# Altium PCB rev3.PcbDoc (part 7 of 7)
Units mil, origin at the board's own origin, x right, y up, seen from the top; angles counter-clockwise.
Board outline 1000 x 800 mil, 2 copper layers (Top Layer, Bottom Layer); 273 components, 16 nets, 2912 pads, 0 vias.
Unrouted connection lines stored in the file: 16.
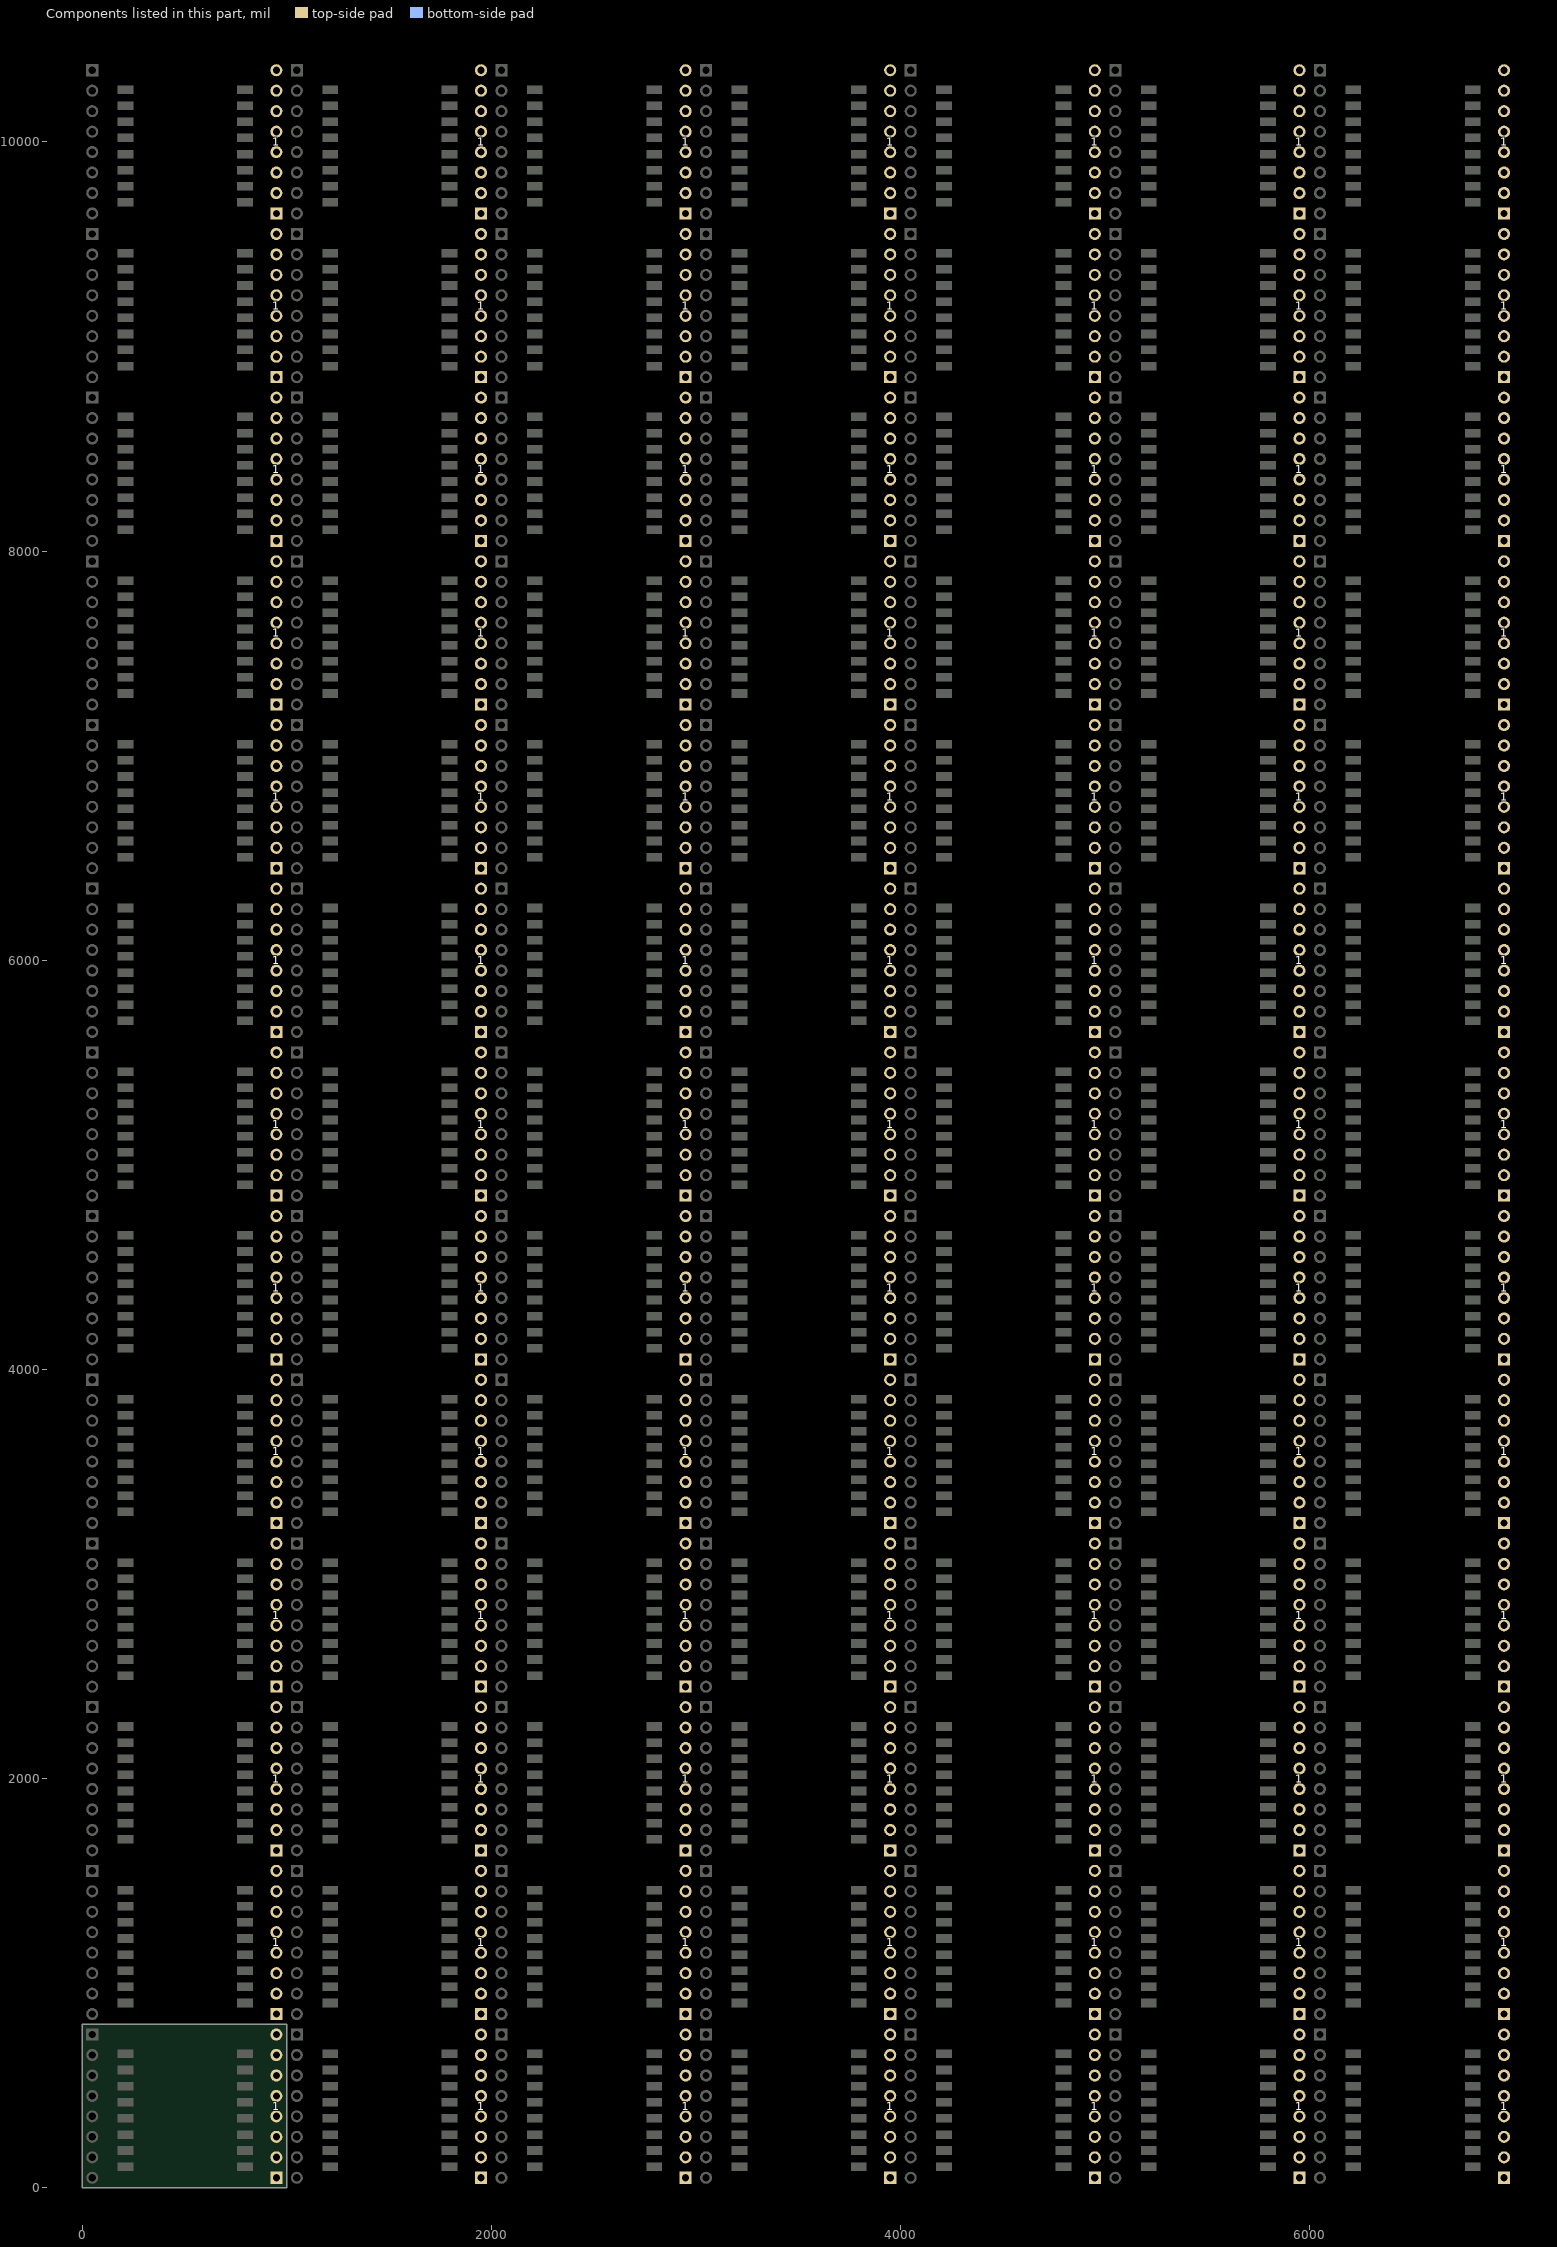
[diagram p7: the components of this part, seen from the top]

## Silkscreen, mask and mechanical layers (free items; w line width, h text height) (continued)
Top Overlay: (continued)
  text "GND" at 1865,880 h20 r90
  text "GND" at 2865,880 h20 r90
  text "GND" at 3865,880 h20 r90
  text "GND" at 4865,880 h20 r90
  text "GND" at 5865,880 h20 r90
  text "GND" at 6865,880 h20 r90
  text "LoRaWan Thailand." at 315,815 h30
  text "LoRaWan Thailand." at 1315,815 h30
  text "LoRaWan Thailand." at 2315,815 h30
  text "LoRaWan Thailand." at 3315,815 h30
  text "LoRaWan Thailand." at 4315,815 h30
  text "LoRaWan Thailand." at 5315,815 h30
  text "LoRaWan Thailand." at 6315,815 h30
  text "ANT" at 150,626 h23 r90
  text "ANT" at 1150,626 h23 r90
  text "ANT" at 2150,626 h23 r90
  text "ANT" at 3150,626 h23 r90
  text "ANT" at 4150,626 h23 r90
  text "ANT" at 5150,626 h23 r90
  text "ANT" at 6150,626 h23 r90
  text "GND" at 880,625 h23 r90
  text "GND" at 1880,625 h23 r90
  text "GND" at 2880,625 h23 r90
  text "GND" at 3880,625 h23 r90
  text "GND" at 4880,625 h23 r90
  text "GND" at 5880,625 h23 r90
  text "GND" at 6880,625 h23 r90
  text "D5" at 880,560 h23 r90
  text "D5" at 1880,560 h23 r90
  text "D5" at 2880,560 h23 r90
  text "D5" at 3880,560 h23 r90
  text "D5" at 4880,560 h23 r90
  text "D5" at 5880,560 h23 r90
  text "D5" at 6880,560 h23 r90
  text "GND" at 150,550 h23 r90
  text "GND" at 1150,550 h23 r90
  text "GND" at 2150,550 h23 r90
  text "GND" at 3150,550 h23 r90
  text "GND" at 4150,550 h23 r90
  text "GND" at 5150,550 h23 r90
  text "GND" at 6150,550 h23 r90
  text "D3" at 150,480 h23 r90
  text "D3" at 1150,480 h23 r90
  text "D3" at 2150,480 h23 r90
  text "D3" at 3150,480 h23 r90
  text "D3" at 4150,480 h23 r90
  text "D3" at 5150,480 h23 r90
  text "D3" at 6150,480 h23 r90
  text "RST" at 880,470 h23 r90
  text "RST" at 1880,470 h23 r90
  text "RST" at 2880,470 h23 r90
  text "RST" at 3880,470 h23 r90
  text "RST" at 4880,470 h23 r90
  text "RST" at 5880,470 h23 r90
  text "RST" at 6880,470 h23 r90
  text "D4" at 150,405 h23 r90
  text "D4" at 1150,405 h23 r90
  text "D4" at 2150,405 h23 r90
  text "D4" at 3150,405 h23 r90
  text "D4" at 4150,405 h23 r90
  text "D4" at 5150,405 h23 r90
  text "D4" at 6150,405 h23 r90
  text "NS" at 880,400 h23 r90
  text "NS" at 1880,400 h23 r90
  text "NS" at 2880,400 h23 r90
  text "NS" at 3880,400 h23 r90
  text "NS" at 4880,400 h23 r90
  text "NS" at 5880,400 h23 r90
  text "NS" at 6880,400 h23 r90
  text "VCC" at 150,310 h23 r90
  text "SCK" at 880,310 h23 r90
  text "VCC" at 1150,310 h23 r90
  text "SCK" at 1880,310 h23 r90
  text "VCC" at 2150,310 h23 r90
  text "SCK" at 2880,310 h23 r90
  text "VCC" at 3150,310 h23 r90
  text "SCK" at 3880,310 h23 r90
  text "VCC" at 4150,310 h23 r90
  text "SCK" at 4880,310 h23 r90
  text "VCC" at 5150,310 h23 r90
  text "SCK" at 5880,310 h23 r90
  text "VCC" at 6150,310 h23 r90
  text "SCK" at 6880,310 h23 r90
  text "D0" at 150,245 h23 r90
  text "MO" at 880,245 h23 r90
  text "D0" at 1150,245 h23 r90
  text "MO" at 1880,245 h23 r90
  text "D0" at 2150,245 h23 r90
  text "MO" at 2880,245 h23 r90
  text "D0" at 3150,245 h23 r90
  text "MO" at 3880,245 h23 r90
  text "D0" at 4150,245 h23 r90
  text "MO" at 4880,245 h23 r90
  text "D0" at 5150,245 h23 r90
  text "MO" at 5880,245 h23 r90
  text "D0" at 6150,245 h23 r90
  text "MO" at 6880,245 h23 r90
  text "D1" at 150,170 h23 r90
  text "MI" at 880,170 h23 r90
  text "D1" at 1150,170 h23 r90
  text "MI" at 1880,170 h23 r90
  text "D1" at 2150,170 h23 r90
  text "MI" at 2880,170 h23 r90
  text "D1" at 3150,170 h23 r90
  text "MI" at 3880,170 h23 r90
  text "D1" at 4150,170 h23 r90
  text "MI" at 4880,170 h23 r90
  text "D1" at 5150,170 h23 r90
  text "MI" at 5880,170 h23 r90
  text "D1" at 6150,170 h23 r90
  text "MI" at 6880,170 h23 r90
  text "D2" at 150,85 h23 r90
  text "D2" at 1150,85 h23 r90
  text "D2" at 2150,85 h23 r90
  text "D2" at 3150,85 h23 r90
  text "D2" at 4150,85 h23 r90
  text "D2" at 5150,85 h23 r90
  text "D2" at 6150,85 h23 r90
  text "GND" at 865,80 h20 r90
  text "GND" at 1865,80 h20 r90
  text "GND" at 2865,80 h20 r90
  text "GND" at 3865,80 h20 r90
  text "GND" at 4865,80 h20 r90
  text "GND" at 5865,80 h20 r90
  text "GND" at 6865,80 h20 r90
  text "LoRaWan Thailand." at 315,15 h30
  text "LoRaWan Thailand." at 1315,15 h30
  text "LoRaWan Thailand." at 2315,15 h30
  text "LoRaWan Thailand." at 3315,15 h30
  text "LoRaWan Thailand." at 4315,15 h30
  text "LoRaWan Thailand." at 5315,15 h30
  text "LoRaWan Thailand." at 6315,15 h30
Mechanical 1:
  drawing of 377 lines, arcs and shapes, not listed
Mechanical 4:
  drawing of 182 lines, arcs and shapes, not listed
  text "TouYunG" at 424,9678 h25
  text "TouYunG" at 1424,9678 h25
  text "TouYunG" at 2424,9678 h25
  text "TouYunG" at 3424,9678 h25
  text "TouYunG" at 4424,9678 h25
  text "TouYunG" at 5424,9678 h25
  text "TouYunG" at 6424,9678 h25
  text "TouYunG" at 424,8878 h25
  text "TouYunG" at 1424,8878 h25
  text "TouYunG" at 2424,8878 h25
  text "TouYunG" at 3424,8878 h25
  text "TouYunG" at 4424,8878 h25
  text "TouYunG" at 5424,8878 h25
  text "TouYunG" at 6424,8878 h25
  text "TouYunG" at 424,8078 h25
  text "TouYunG" at 1424,8078 h25
  text "TouYunG" at 2424,8078 h25
  text "TouYunG" at 3424,8078 h25
  text "TouYunG" at 4424,8078 h25
  text "TouYunG" at 5424,8078 h25
  text "TouYunG" at 6424,8078 h25
  text "TouYunG" at 424,7278 h25
  text "TouYunG" at 1424,7278 h25
  text "TouYunG" at 2424,7278 h25
  text "TouYunG" at 3424,7278 h25
  text "TouYunG" at 4424,7278 h25
  text "TouYunG" at 5424,7278 h25
  text "TouYunG" at 6424,7278 h25
  text "TouYunG" at 424,6478 h25
  text "TouYunG" at 1424,6478 h25
  text "TouYunG" at 2424,6478 h25
  text "TouYunG" at 3424,6478 h25
  text "TouYunG" at 4424,6478 h25
  text "TouYunG" at 5424,6478 h25
  text "TouYunG" at 6424,6478 h25
  text "TouYunG" at 424,5678 h25
  text "TouYunG" at 1424,5678 h25
  text "TouYunG" at 2424,5678 h25
  text "TouYunG" at 3424,5678 h25
  text "TouYunG" at 4424,5678 h25
  text "TouYunG" at 5424,5678 h25
  text "TouYunG" at 6424,5678 h25
  text "TouYunG" at 424,4878 h25
  text "TouYunG" at 1424,4878 h25
  text "TouYunG" at 2424,4878 h25
  text "TouYunG" at 3424,4878 h25
  text "TouYunG" at 4424,4878 h25
  text "TouYunG" at 5424,4878 h25
  text "TouYunG" at 6424,4878 h25
  text "TouYunG" at 424,4078 h25
  text "TouYunG" at 1424,4078 h25
  text "TouYunG" at 2424,4078 h25
  text "TouYunG" at 3424,4078 h25
  text "TouYunG" at 4424,4078 h25
  text "TouYunG" at 5424,4078 h25
  text "TouYunG" at 6424,4078 h25
  text "TouYunG" at 424,3278 h25
  text "TouYunG" at 1424,3278 h25
  text "TouYunG" at 2424,3278 h25
  text "TouYunG" at 3424,3278 h25
  text "TouYunG" at 4424,3278 h25
  text "TouYunG" at 5424,3278 h25
  text "TouYunG" at 6424,3278 h25
  text "TouYunG" at 424,2478 h25
  text "TouYunG" at 1424,2478 h25
  text "TouYunG" at 2424,2478 h25
  text "TouYunG" at 3424,2478 h25
  text "TouYunG" at 4424,2478 h25
  text "TouYunG" at 5424,2478 h25
  text "TouYunG" at 6424,2478 h25
  text "TouYunG" at 424,1678 h25
  text "TouYunG" at 1424,1678 h25
  text "TouYunG" at 2424,1678 h25
  text "TouYunG" at 3424,1678 h25
  text "TouYunG" at 4424,1678 h25
  text "TouYunG" at 5424,1678 h25
  text "TouYunG" at 6424,1678 h25
  text "TouYunG" at 424,878 h25
  text "TouYunG" at 1424,878 h25
  text "TouYunG" at 2424,878 h25
  text "TouYunG" at 3424,878 h25
  text "TouYunG" at 4424,878 h25
  text "TouYunG" at 5424,878 h25
  text "TouYunG" at 6424,878 h25
  text "TouYunG" at 424,78 h25
  text "TouYunG" at 1424,78 h25
  text "TouYunG" at 2424,78 h25
  text "TouYunG" at 3424,78 h25
  text "TouYunG" at 4424,78 h25
  text "TouYunG" at 5424,78 h25
  text "TouYunG" at 6424,78 h25

## Text inside footprints (layer, text, board x,y; h text height)
RFM9x: Top Overlay "IC" at 570,215 h40
RFM9x: Top Overlay "IC" at 570,1015 h40
RFM9x: Top Overlay "IC" at 570,1815 h40
RFM9x: Top Overlay "IC" at 570,2615 h40
RFM9x: Top Overlay "IC" at 570,3415 h40
RFM9x: Top Overlay "IC" at 570,4215 h40
RFM9x: Top Overlay "IC" at 570,5015 h40
RFM9x: Top Overlay "IC" at 570,5815 h40
RFM9x: Top Overlay "IC" at 570,6615 h40
RFM9x: Top Overlay "IC" at 570,7415 h40
RFM9x: Top Overlay "IC" at 570,8215 h40
RFM9x: Top Overlay "IC" at 570,9015 h40
RFM9x: Top Overlay "IC" at 570,9815 h40
RFM9x: Top Overlay "IC" at 1570,215 h40
RFM9x: Top Overlay "IC" at 1570,1015 h40
RFM9x: Top Overlay "IC" at 1570,1815 h40
RFM9x: Top Overlay "IC" at 1570,2615 h40
RFM9x: Top Overlay "IC" at 1570,3415 h40
RFM9x: Top Overlay "IC" at 1570,4215 h40
RFM9x: Top Overlay "IC" at 1570,5015 h40
RFM9x: Top Overlay "IC" at 1570,5815 h40
RFM9x: Top Overlay "IC" at 1570,6615 h40
RFM9x: Top Overlay "IC" at 1570,7415 h40
RFM9x: Top Overlay "IC" at 1570,8215 h40
RFM9x: Top Overlay "IC" at 1570,9015 h40
RFM9x: Top Overlay "IC" at 1570,9815 h40
RFM9x: Top Overlay "IC" at 2570,215 h40
RFM9x: Top Overlay "IC" at 2570,1015 h40
RFM9x: Top Overlay "IC" at 2570,1815 h40
RFM9x: Top Overlay "IC" at 2570,2615 h40
RFM9x: Top Overlay "IC" at 2570,3415 h40
RFM9x: Top Overlay "IC" at 2570,4215 h40
RFM9x: Top Overlay "IC" at 2570,5015 h40
RFM9x: Top Overlay "IC" at 2570,5815 h40
RFM9x: Top Overlay "IC" at 2570,6615 h40
RFM9x: Top Overlay "IC" at 2570,7415 h40
RFM9x: Top Overlay "IC" at 2570,8215 h40
RFM9x: Top Overlay "IC" at 2570,9015 h40
RFM9x: Top Overlay "IC" at 2570,9815 h40
RFM9x: Top Overlay "IC" at 3570,215 h40
RFM9x: Top Overlay "IC" at 3570,1015 h40
RFM9x: Top Overlay "IC" at 3570,1815 h40
RFM9x: Top Overlay "IC" at 3570,2615 h40
RFM9x: Top Overlay "IC" at 3570,3415 h40
RFM9x: Top Overlay "IC" at 3570,4215 h40
RFM9x: Top Overlay "IC" at 3570,5015 h40
RFM9x: Top Overlay "IC" at 3570,5815 h40
RFM9x: Top Overlay "IC" at 3570,6615 h40
RFM9x: Top Overlay "IC" at 3570,7415 h40
RFM9x: Top Overlay "IC" at 3570,8215 h40
RFM9x: Top Overlay "IC" at 3570,9015 h40
RFM9x: Top Overlay "IC" at 3570,9815 h40
RFM9x: Top Overlay "IC" at 4570,215 h40
RFM9x: Top Overlay "IC" at 4570,1015 h40
RFM9x: Top Overlay "IC" at 4570,1815 h40
RFM9x: Top Overlay "IC" at 4570,2615 h40
RFM9x: Top Overlay "IC" at 4570,3415 h40
RFM9x: Top Overlay "IC" at 4570,4215 h40
RFM9x: Top Overlay "IC" at 4570,5015 h40
RFM9x: Top Overlay "IC" at 4570,5815 h40
RFM9x: Top Overlay "IC" at 4570,6615 h40
RFM9x: Top Overlay "IC" at 4570,7415 h40
RFM9x: Top Overlay "IC" at 4570,8215 h40
RFM9x: Top Overlay "IC" at 4570,9015 h40
RFM9x: Top Overlay "IC" at 4570,9815 h40
RFM9x: Top Overlay "IC" at 5570,215 h40
RFM9x: Top Overlay "IC" at 5570,1015 h40
RFM9x: Top Overlay "IC" at 5570,1815 h40
RFM9x: Top Overlay "IC" at 5570,2615 h40
RFM9x: Top Overlay "IC" at 5570,3415 h40
RFM9x: Top Overlay "IC" at 5570,4215 h40
RFM9x: Top Overlay "IC" at 5570,5015 h40
RFM9x: Top Overlay "IC" at 5570,5815 h40
RFM9x: Top Overlay "IC" at 5570,6615 h40
RFM9x: Top Overlay "IC" at 5570,7415 h40
RFM9x: Top Overlay "IC" at 5570,8215 h40
RFM9x: Top Overlay "IC" at 5570,9015 h40
RFM9x: Top Overlay "IC" at 5570,9815 h40
RFM9x: Top Overlay "IC" at 6570,215 h40
RFM9x: Top Overlay "IC" at 6570,1015 h40
RFM9x: Top Overlay "IC" at 6570,1815 h40
RFM9x: Top Overlay "IC" at 6570,2615 h40
RFM9x: Top Overlay "IC" at 6570,3415 h40
RFM9x: Top Overlay "IC" at 6570,4215 h40
RFM9x: Top Overlay "IC" at 6570,5015 h40
RFM9x: Top Overlay "IC" at 6570,5815 h40
RFM9x: Top Overlay "IC" at 6570,6615 h40
RFM9x: Top Overlay "IC" at 6570,7415 h40
RFM9x: Top Overlay "IC" at 6570,8215 h40
RFM9x: Top Overlay "IC" at 6570,9015 h40
RFM9x: Top Overlay "IC" at 6570,9815 h40